# Altium PCB relay_matrix.PcbDoc (part 8 of 9)
Units mm, origin at the board's own origin, x right, y up, seen from the top; angles counter-clockwise.
Board outline 330 x 220 mm, 2 copper layers (Top Layer, Bottom Layer); 498 components, 345 nets, 2134 pads, 717 vias.
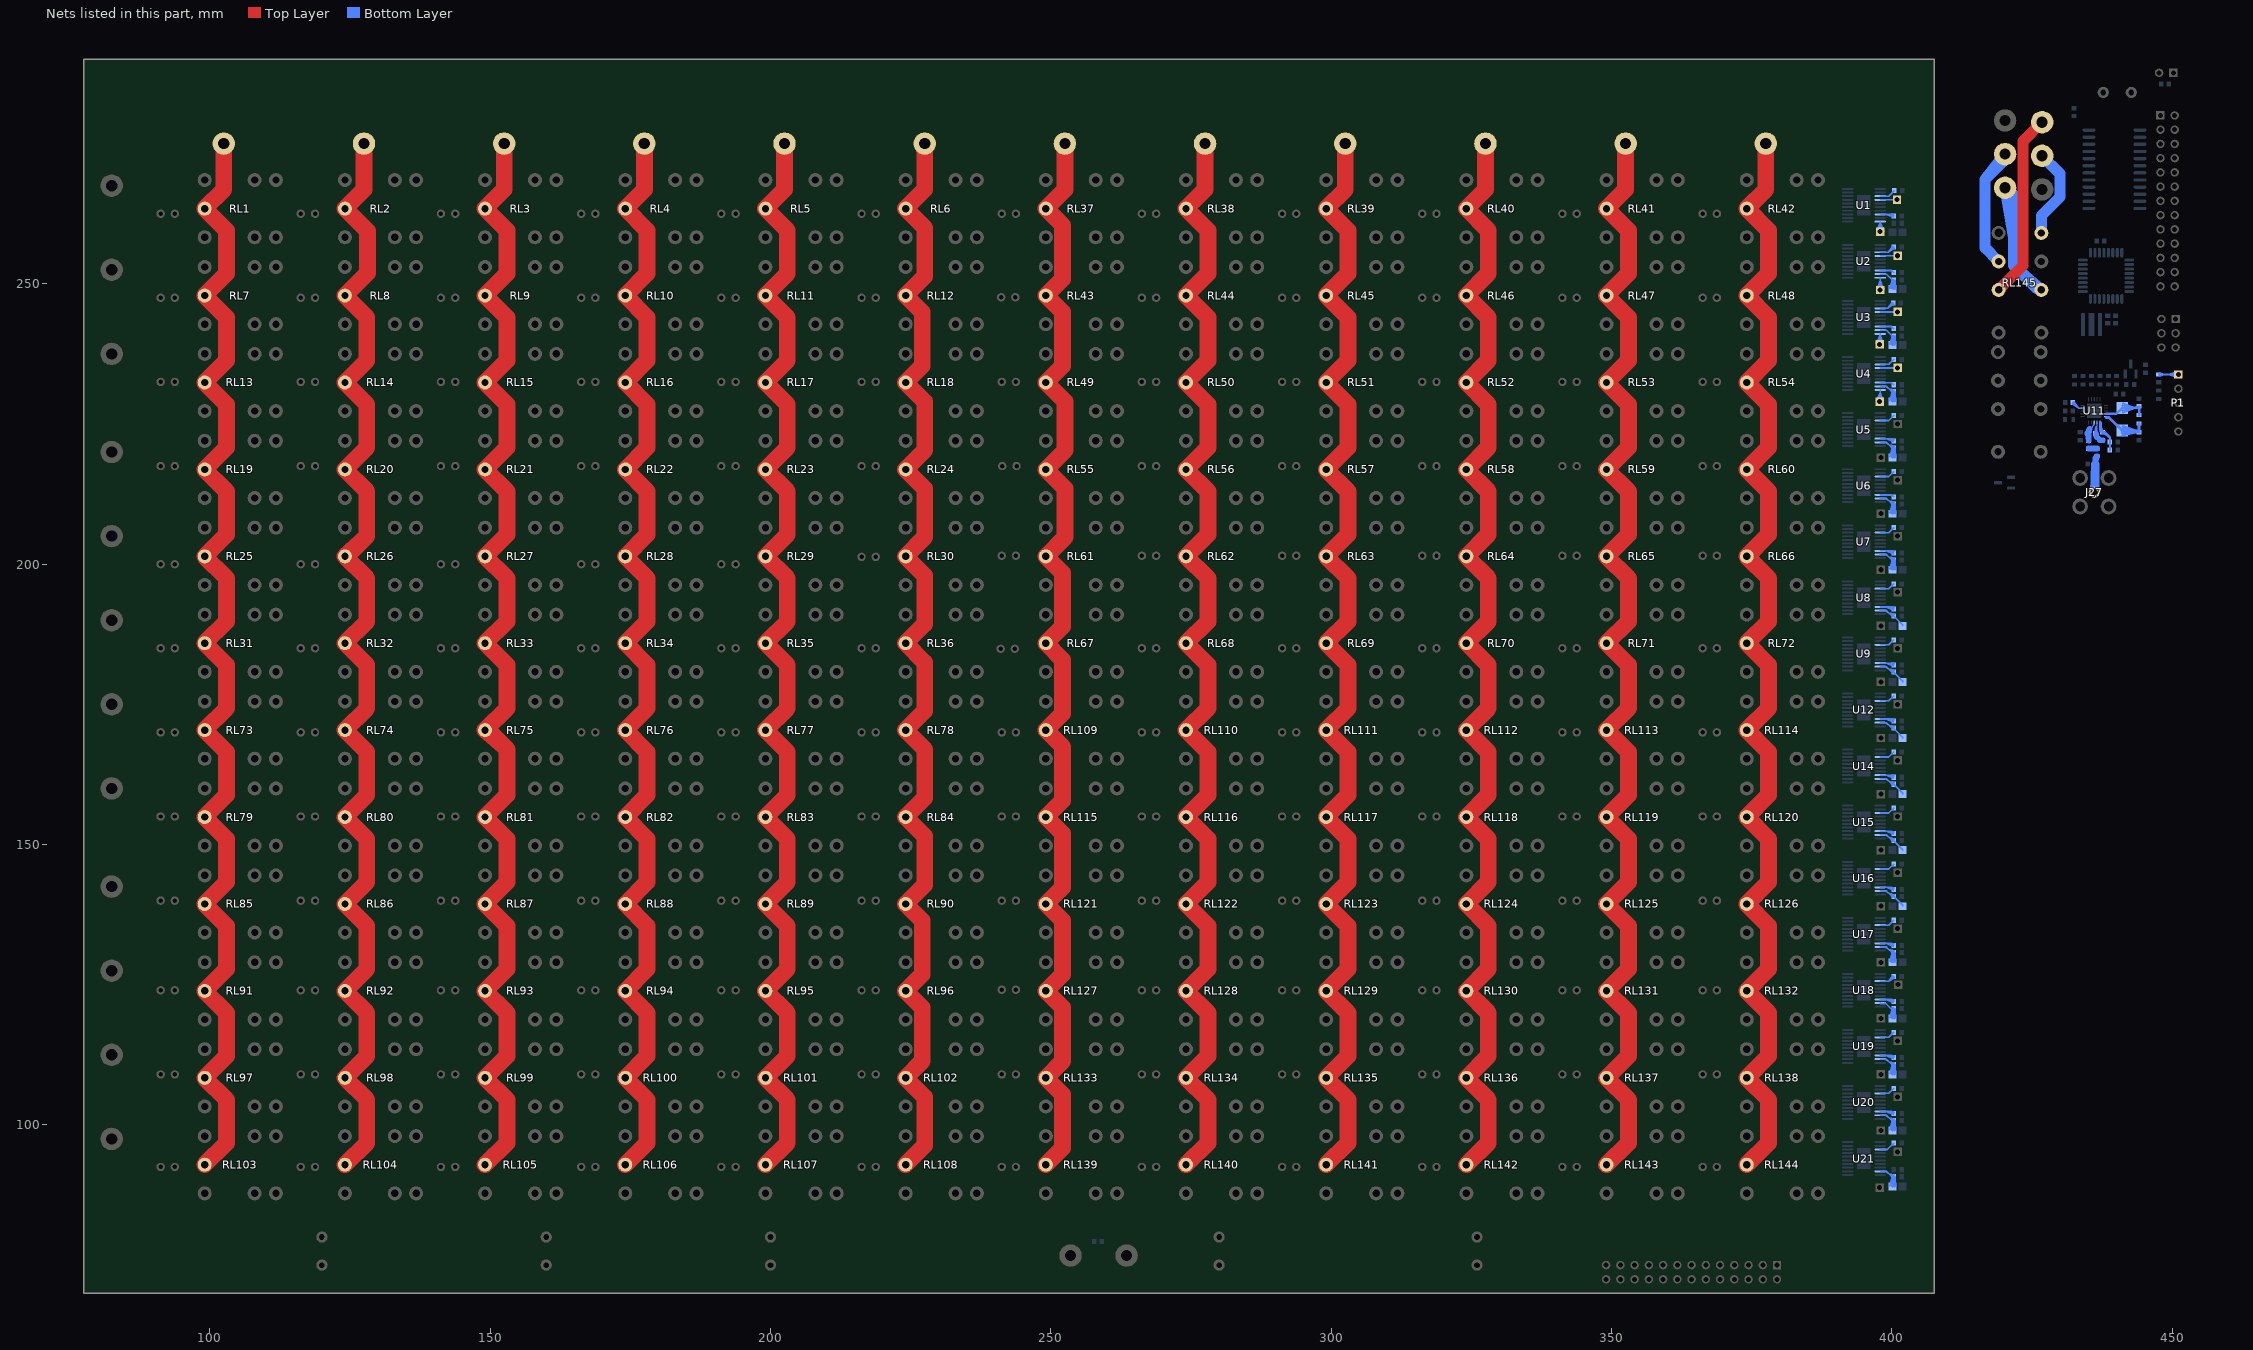
[diagram p8: the nets of this part, all layers, seen from the top]

## Via types
v1: diameter 0.8, hole 0.5, Top Layer to Bottom Layer, 477 vias
v2: diameter 0.8, hole 0.5, Top Layer to Bottom Layer, tented both sides, 122 vias
v3: diameter 0.6, hole 0.3, Top Layer to Bottom Layer, 112 vias
v4: diameter 7, hole 5, Top Layer to Bottom Layer, 6 vias

## Nets (pads, with @x,y where several pads share a name; then routed paths per layer and width w, separated by ;. In a path a pad name is that pad's centre, name@x,y a point inside that pad or via, vN(x,y) a via of type N, cw(c..) or ccw(c..) an arc to the next point about the centre after c; other vN are vias at no path point) (continued)
NetC2_2: C2.2 R146.1 U2.19 | length 40.5
  Bottom Layer w0.3: U2.19@397.9,251.725 399.025,251.725 ; R146.1@399.556,249.182 C2.2@400.051,250.626 ; R146.1@399.574,249.26 C2.2@400.3,250.7 ; R146.1@399.575,249.265 C2.2@400.3,250.65 ; R146.1@399.607,249.344 C2.2@400.549,250.626 ; R146.1@399.85,249.112 C2.2@400.051,250.626 ; R146.1@399.855,249.15 C2.2@400.3,250.7 ; R146.1@399.855,249.152 C2.2@400.3,250.65 ; R146.1@399.866,249.189 C2.2@400.549,250.626 ; R146.1@400.345,249.049 C2.2@400.549,250.626 ; R146.1@400.348,249.128 C2.2@400.051,250.626 ; R146.1@400.35,249.088 C2.2@400.3,250.65 ; R146.1@400.35,249.088 C2.2@400.3,250.7 ; R146.1@400.638,249.216 C2.2@400.051,250.626 ; R146.1@400.647,249.038 C2.2@400.549,250.626 ; R146.1@400.649,249.126 C2.2@400.3,250.7 ; R146.1@400.649,249.127 C2.2@400.3,250.65 ; 399.025,251.725 398.725,251.725 399.025,251.725 ; 399.025,251.725 400.05,250.7 C2.2@400.3,250.7 ; C2.2@400.051,250.626 R146.1@400.1,249.1 ; C2.2@400.051,250.626 R146.1@400.3,249.35 ; R146.1@400.1,249.1 C2.2@400.3,250.65 ; R146.1@400.1,249.1 C2.2@400.549,250.626 ; R146.1@400.1,249.1 C2.2@400.3,250.7 ; R146.1@400.1,249.1 400.3,249.3 C2.2@400.3,250.7 ; R146.1@400.3,249.35 C2.2@400.3,250.65 ; R146.1@400.3,249.35 C2.2@400.549,250.626
NetC3_2: C3.2 R147.1 U3.19 | length 36.9
  Bottom Layer w0.3: U3.19@397.9,241.725 399.025,241.725 ; R147.1@399.574,239.26 C3.2@400.3,240.7 ; R147.1@399.855,239.15 C3.2@400.3,240.7 ; C3.2@400.05,240.658 R147.1@400.132,239.357 ; C3.2@400.051,240.626 R147.1@400.3,239.35 ; C3.2@400.052,240.618 R147.1@400.342,239.35 ; C3.2@400.055,240.698 R147.1@399.922,239.385 ; C3.2@400.063,240.571 R147.1@400.595,239.371 ; C3.2@400.069,240.745 R147.1@399.668,239.446 ; R147.1@400.35,239.088 C3.2@400.3,240.7 ; C3.2@400.51,240.514 R147.1@399.668,239.446 ; C3.2@400.532,240.556 R147.1@399.922,239.385 ; C3.2@400.544,240.594 R147.1@400.132,239.357 ; C3.2@400.548,240.683 R147.1@400.595,239.371 ; C3.2@400.549,240.626 R147.1@400.3,239.35 ; C3.2@400.549,240.634 R147.1@400.342,239.35 ; R147.1@400.649,239.126 C3.2@400.3,240.7 ; 399.025,241.725 398.725,241.725 399.025,241.725 ; 399.025,241.725 400.05,240.7 C3.2@400.3,240.7 ; R147.1@399.668,239.446 C3.2@400.3,240.65 ; R147.1@399.922,239.385 C3.2@400.3,240.65 ; R147.1@400.132,239.357 C3.2@400.3,240.65 ; R147.1@400.3,239.35 C3.2@400.3,240.65 ; C3.2@400.3,240.65 R147.1@400.342,239.35 ; C3.2@400.3,240.65 R147.1@400.595,239.371 ; C3.2@400.3,240.7 R147.1@400.1,239.1 400.3,239.3 C3.2@400.3,240.7
NetC4_2: C4.2 R148.1 U4.19 | length 44.2
  Bottom Layer w0.3: U4.19@397.9,231.725 399.025,231.725 ; R148.1@399.573,229.159 C4.2@400.3,230.614 ; R148.1@399.855,229.05 C4.2@400.3,230.614 ; C4.2@400.05,230.705 R148.1@400.15,229.405 ; C4.2@400.051,230.676 R148.1@400.3,229.4 ; C4.2@400.052,230.669 R148.1@400.337,229.4 ; C4.2@400.053,230.741 R148.1@399.962,229.426 ; C4.2@400.061,230.627 R148.1@400.564,229.416 ; C4.2@400.064,230.784 R148.1@399.73,229.473 ; C4.2@400.151,230.599 399.55,231.2 ; R148.1@400.35,228.988 C4.2@400.3,230.614 ; C4.2@400.384,231.035 399.55,231.2 ; C4.2@400.516,230.574 R148.1@399.73,229.473 ; C4.2@400.534,230.613 R148.1@399.962,229.426 ; C4.2@400.544,230.648 R148.1@400.15,229.405 ; C4.2@400.549,230.676 R148.1@400.3,229.4 ; C4.2@400.549,230.683 R148.1@400.337,229.4 ; C4.2@400.549,230.727 R148.1@400.564,229.416 ; R148.1@400.649,229.026 C4.2@400.3,230.614 ; U4.19@398.725,231.725 399.025,231.725 ; U4.19@398.725,231.725 399.025,231.725 ; U4.19@398.725,231.725 399.55,231.2 ; 399.025,231.725 399.55,231.2 ; 399.55,231.2 C4.2@400.3,230.8 ; 399.55,231.2 399.85,231.2 ; R148.1@399.73,229.473 C4.2@400.3,230.7 ; 399.85,231.2 C4.2@400.3,230.8 ; 399.85,231.2 400.424,231.017 399.85,231.2 ; 399.85,231.2 400.099,230.652 399.85,231.2 ; 399.85,231.2 C4.2@400.3,230.8 ; 399.85,231.2 C4.2@400.3,230.75 400.3,229.2 R148.1@400.1,229 C4.2@400.3,230.614 ; R148.1@399.962,229.426 C4.2@400.3,230.7 ; R148.1@400.15,229.405 C4.2@400.3,230.7 ; R148.1@400.3,229.4 C4.2@400.3,230.7 ; C4.2@400.3,230.7 R148.1@400.337,229.4 ; C4.2@400.3,230.7 R148.1@400.564,229.416
NetC6_2: C6.2 U1.18 | length 11.4
  Bottom Layer w0.3: U1.18@397.9,262.375 400.025,262.375 C6.2@400.3,262.1 ; 399.8,262.375 U1.18@398.725,262.375 ; 399.801,262.391 U1.18@398.725,262.375 ; 399.852,262.22 U1.18@398.725,262.375 ; C6.2@399.902,262.022 U1.18@398.725,262.375 ; C6.2@400.24,261.907 U1.18@398.864,262.375 ; C6.2@400.3,262.15 U1.18@398.864,262.375 ; C6.2@400.317,262.399 U1.18@398.864,262.375
NetC7_2: C7.2 U2.18 | length 3.6
  Bottom Layer w0.3: U2.18@397.9,252.375 399.925,252.375 C7.2@400.3,252 ; U2.18@398.725,252.375 399.8,252.375
NetC8_2: C8.2 U3.18 | length 3.6
  Bottom Layer w0.3: U3.18@397.9,242.375 399.925,242.375 C8.2@400.3,242 ; U3.18@398.725,242.375 399.8,242.375
NetC9_2: C9.2 U4.18 | length 3.6
  Bottom Layer w0.3: U4.18@397.9,232.375 399.925,232.375 C9.2@400.3,232 ; U4.18@398.725,232.375 399.8,232.375
NetC11_2: C11.2 U1.13 | length 3.6
  Bottom Layer w0.3: U1.13@397.9,265.625 399.425,265.625 ; U1.13@398.725,265.625 399.425,265.625 ; C11.2@400.4,266.6 399.425,265.625
NetC20_2: C20.2 U11.19 | length 6.7
  Bottom Layer w0.3: C20.2@432.12,228.578 433.275,227.824 ; C20.2@432.275,228.774 433.275,227.824 ; C20.2@432.275,228.824 433.275,227.824 ; C20.2@432.463,228.939 433.275,227.824 ; U11.19@433.725,227.824 433.275,227.824 ; U11.19@434,227.824 433.275,227.824
NetC22_1: C22.1 L1.1 | length 5.8
  Bottom Layer w1: L1.1@435.075,220.624 436.525,220.624 435.125,220.624 C22.1@436.575,220.624 L1.1@435.075,220.624
NetC22_2: C22.2 C23.1 J27.1 | length 20.3
  Bottom Layer w1: C22.2@436.575,219.224 C22.2@436.275,218.924 ; C22.2@436.275,218.924 436.275,217.874 436.525,219.224 C23.1@436.275,217.824 C22.2@436.275,218.924
  Bottom Layer w1.5: J27.1@436.078,212.877 C23.1@436.275,217.774 ; C23.1@436.275,217.824 C23.1@436.265,217.814 ; C23.1@436.265,217.814 J27.1@436.075,212.824 436.265,213.014 C23.1@436.265,217.814
NetC24_2: C24.2 U2.13 | length 7.4
  Bottom Layer w0.3: U2.13@397.9,255.625 399.325,255.625 ; U2.13@398.725,255.625 399.325,255.625 ; C24.2@400.112,256.715 399.325,255.625 ; C24.2@400.3,256.55 399.325,255.625 ; C24.2@400.3,256.6 399.325,255.625 ; C24.2@400.454,256.353 399.325,255.625
NetC26_1: C26.1 C27.1 L3.1 U11.11 | length 13.4
  Bottom Layer w0.4: L3.1@437.575,223.524 437.975,223.524 438.875,222.624 ; L3.1@437.625,223.524 438.875,222.624 ; C27.1@438.875,221.874 438.875,222.624 ; C27.1@438.875,221.824 438.875,220.374 438.875,221.774 C26.1@438.875,220.324 C27.1@438.875,221.824 ; C27.1@438.875,221.824 438.875,222.624
  Bottom Layer w0.6: 437.175,225.249 437.177,225.247 437.177,224.379 437.175,224.377 ; L3.1@437.525,223.524 437.175,224.377 ; L3.1@437.575,223.524 437.175,223.924 437.175,224.377
NetC30_1: C30.1 R170.1 U11.9 X2.1 | length 21.5
  Bottom Layer w0.4: U11.9@438.15,226.824 440.05,226.824 X2.1@441.075,227.849 443.8,227.849 C30.1@444.075,228.124 ; U11.9@438.425,226.824 439.725,226.824 ; X2.1@441.116,227.426 443.3,227.849 ; X2.1@441.116,228.272 443.3,227.849 ; X2.1@441.228,227.038 443.3,227.849 ; X2.1@441.228,228.66 443.3,227.849 ; 442.308,227.849 C30.1@444.025,228.124 ; C30.1@444.075,228.124 R170.1@444.075,226.574 C30.1@444.075,228.124
NetC31_1: C31.1 R170.2 U11.10 X2.2 | length 33.5
  Bottom Layer w0.5: 438.15,226.174 438.7,226.174 X2.2@441.075,223.799 443.8,223.799 C31.1@444.075,223.524 R170.2@444.075,225.074 ; X2.2@441.072,223.474 C31.1@443.626,223.578 ; X2.2@441.075,223.749 C31.1@443.626,223.578 ; X2.2@441.09,223.524 443.6,223.799 ; X2.2@441.09,224.074 443.6,223.799 ; X2.2@441.109,224.022 C31.1@443.626,223.578 ; X2.2@441.142,222.977 C31.1@443.626,223.578 ; X2.2@441.194,223.033 443.6,223.799 ; X2.2@441.194,224.565 443.6,223.799 ; X2.2@441.244,224.505 C31.1@443.626,223.578 ; X2.2@442.008,223.799 C31.1@444.025,223.524
NetC34_2: C34.2 P1.1 | length 14
  Bottom Layer w0.3: C34.2@447.575,233.824 P1.1@451.075,233.824 ; C34.2@447.625,233.824 448.925,233.824 ; C34.2@447.65,233.575 448.925,233.824 ; C34.2@447.65,234.073 448.925,233.824 ; P1.1@450.966,233.234 449.425,233.824 ; P1.1@450.966,234.414 449.425,233.824 ; P1.1@451.048,233.525 449.425,233.824 ; P1.1@451.048,234.123 449.425,233.824
NetC36_2: C36.2 U3.13 | length 7.2
  Bottom Layer w0.3: U3.13@397.9,245.625 399.225,245.625 ; U3.13@398.725,245.625 399.225,245.625 ; C36.2@400.012,246.715 399.225,245.625 ; C36.2@400.2,246.55 399.225,245.625 ; C36.2@400.2,246.6 399.225,245.625 ; C36.2@400.354,246.353 399.225,245.625
NetC37_2: C37.2 U4.13 | length 3.5
  Bottom Layer w0.3: U4.13@397.9,235.625 399.425,235.625 ; U4.13@398.725,235.625 399.425,235.625 ; C37.2@400.3,236.5 399.425,235.625
NetC38_2: C38.2 R149.1 U5.19 | length 44.2
  Bottom Layer w0.3: U5.19@397.9,221.725 399.025,221.725 ; R149.1@399.573,219.159 C38.2@400.3,220.614 ; R149.1@399.855,219.05 C38.2@400.3,220.614 ; C38.2@400.05,220.705 R149.1@400.15,219.405 ; C38.2@400.051,220.676 R149.1@400.3,219.4 ; C38.2@400.052,220.669 R149.1@400.337,219.4 ; C38.2@400.053,220.741 R149.1@399.962,219.426 ; C38.2@400.061,220.627 R149.1@400.564,219.416 ; C38.2@400.064,220.784 R149.1@399.73,219.473 ; C38.2@400.151,220.599 399.55,221.2 ; R149.1@400.35,218.988 C38.2@400.3,220.614 ; C38.2@400.384,221.035 399.55,221.2 ; C38.2@400.516,220.574 R149.1@399.73,219.473 ; C38.2@400.534,220.613 R149.1@399.962,219.426 ; C38.2@400.544,220.648 R149.1@400.15,219.405 ; C38.2@400.549,220.676 R149.1@400.3,219.4 ; C38.2@400.549,220.683 R149.1@400.337,219.4 ; C38.2@400.549,220.727 R149.1@400.564,219.416 ; R149.1@400.649,219.026 C38.2@400.3,220.614 ; U5.19@398.725,221.725 399.025,221.725 ; U5.19@398.725,221.725 399.025,221.725 ; U5.19@398.725,221.725 399.55,221.2 ; 399.025,221.725 399.55,221.2 ; 399.55,221.2 C38.2@400.3,220.8 ; 399.55,221.2 399.85,221.2 ; R149.1@399.73,219.473 C38.2@400.3,220.7 ; 399.85,221.2 C38.2@400.3,220.8 ; 399.85,221.2 400.424,221.017 399.85,221.2 ; 399.85,221.2 400.099,220.652 399.85,221.2 ; 399.85,221.2 C38.2@400.3,220.8 ; 399.85,221.2 C38.2@400.3,220.75 400.3,219.2 R149.1@400.1,219 C38.2@400.3,220.614 ; R149.1@399.962,219.426 C38.2@400.3,220.7 ; R149.1@400.15,219.405 C38.2@400.3,220.7 ; R149.1@400.3,219.4 C38.2@400.3,220.7 ; C38.2@400.3,220.7 R149.1@400.337,219.4 ; C38.2@400.3,220.7 R149.1@400.564,219.416
NetC39_2: C39.2 R150.1 U6.19 | length 44.2
  Bottom Layer w0.3: U6.19@397.9,211.725 399.025,211.725 ; R150.1@399.573,209.159 C39.2@400.3,210.614 ; R150.1@399.855,209.05 C39.2@400.3,210.614 ; C39.2@400.05,210.705 R150.1@400.15,209.405 ; C39.2@400.051,210.676 R150.1@400.3,209.4 ; C39.2@400.052,210.669 R150.1@400.337,209.4 ; C39.2@400.053,210.741 R150.1@399.962,209.426 ; C39.2@400.061,210.627 R150.1@400.564,209.416 ; C39.2@400.064,210.784 R150.1@399.73,209.473 ; C39.2@400.151,210.599 399.55,211.2 ; R150.1@400.35,208.988 C39.2@400.3,210.614 ; C39.2@400.384,211.035 399.55,211.2 ; C39.2@400.516,210.574 R150.1@399.73,209.473 ; C39.2@400.534,210.613 R150.1@399.962,209.426 ; C39.2@400.544,210.648 R150.1@400.15,209.405 ; C39.2@400.549,210.676 R150.1@400.3,209.4 ; C39.2@400.549,210.683 R150.1@400.337,209.4 ; C39.2@400.549,210.727 R150.1@400.564,209.416 ; R150.1@400.649,209.026 C39.2@400.3,210.614 ; U6.19@398.725,211.725 399.025,211.725 ; U6.19@398.725,211.725 399.025,211.725 ; U6.19@398.725,211.725 399.55,211.2 ; 399.025,211.725 399.55,211.2 ; 399.55,211.2 C39.2@400.3,210.8 ; 399.55,211.2 399.85,211.2 ; R150.1@399.73,209.473 C39.2@400.3,210.7 ; 399.85,211.2 C39.2@400.3,210.8 ; 399.85,211.2 400.424,211.017 399.85,211.2 ; 399.85,211.2 400.099,210.652 399.85,211.2 ; 399.85,211.2 C39.2@400.3,210.8 ; 399.85,211.2 C39.2@400.3,210.75 400.3,209.2 R150.1@400.1,209 C39.2@400.3,210.614 ; R150.1@399.962,209.426 C39.2@400.3,210.7 ; R150.1@400.15,209.405 C39.2@400.3,210.7 ; R150.1@400.3,209.4 C39.2@400.3,210.7 ; C39.2@400.3,210.7 R150.1@400.337,209.4 ; C39.2@400.3,210.7 R150.1@400.564,209.416
NetC40_2: C40.2 R151.1 U7.19 | length 44.2
  Bottom Layer w0.3: U7.19@397.9,201.725 399.025,201.725 ; R151.1@399.573,199.159 C40.2@400.3,200.614 ; R151.1@399.855,199.05 C40.2@400.3,200.614 ; C40.2@400.05,200.705 R151.1@400.15,199.405 ; C40.2@400.051,200.676 R151.1@400.3,199.4 ; C40.2@400.052,200.669 R151.1@400.337,199.4 ; C40.2@400.053,200.741 R151.1@399.962,199.426 ; C40.2@400.061,200.627 R151.1@400.564,199.416 ; C40.2@400.064,200.784 R151.1@399.73,199.473 ; C40.2@400.151,200.599 399.55,201.2 ; R151.1@400.35,198.988 C40.2@400.3,200.614 ; C40.2@400.384,201.035 399.55,201.2 ; C40.2@400.516,200.574 R151.1@399.73,199.473 ; C40.2@400.534,200.613 R151.1@399.962,199.426 ; C40.2@400.544,200.648 R151.1@400.15,199.405 ; C40.2@400.549,200.676 R151.1@400.3,199.4 ; C40.2@400.549,200.683 R151.1@400.337,199.4 ; C40.2@400.549,200.727 R151.1@400.564,199.416 ; R151.1@400.649,199.026 C40.2@400.3,200.614 ; U7.19@398.725,201.725 399.025,201.725 ; U7.19@398.725,201.725 399.025,201.725 ; U7.19@398.725,201.725 399.55,201.2 ; 399.025,201.725 399.55,201.2 ; 399.55,201.2 C40.2@400.3,200.8 ; 399.55,201.2 399.85,201.2 ; R151.1@399.73,199.473 C40.2@400.3,200.7 ; 399.85,201.2 C40.2@400.3,200.8 ; 399.85,201.2 400.424,201.017 399.85,201.2 ; 399.85,201.2 400.099,200.652 399.85,201.2 ; 399.85,201.2 C40.2@400.3,200.8 ; 399.85,201.2 C40.2@400.3,200.75 400.3,199.2 R151.1@400.1,199 C40.2@400.3,200.614 ; R151.1@399.962,199.426 C40.2@400.3,200.7 ; R151.1@400.15,199.405 C40.2@400.3,200.7 ; R151.1@400.3,199.4 C40.2@400.3,200.7 ; C40.2@400.3,200.7 R151.1@400.337,199.4 ; C40.2@400.3,200.7 R151.1@400.564,199.416
NetC41_2: C41.2 R152.1 U8.19 | length 13
  Bottom Layer w0.3: U8.19@397.9,191.725 399.025,191.725 ; C41.2@400.151,190.599 399.55,191.2 ; C41.2@400.384,191.035 399.55,191.2 ; R152.1@401.9,189 401.9,189.15 C41.2@400.3,190.75 399.85,191.2 ; U8.19@398.725,191.725 399.025,191.725 ; U8.19@398.725,191.725 399.025,191.725 ; U8.19@398.725,191.725 399.55,191.2 ; 399.025,191.725 399.55,191.2 ; 399.55,191.2 C41.2@400.3,190.8 ; 399.55,191.2 399.85,191.2 ; 399.85,191.2 C41.2@400.3,190.8 ; 399.85,191.2 400.424,191.017 399.85,191.2 ; 399.85,191.2 400.099,190.652 399.85,191.2 ; 399.85,191.2 C41.2@400.3,190.8
NetC42_2: C42.2 U5.18 | length 9.7
  Bottom Layer w0.3: U5.18@397.9,222.375 399.925,222.375 C42.2@400.3,222 ; U5.18@398.725,222.375 399.8,222.375 ; C42.2@400.123,221.874 399.8,222.375 ; C42.2@400.222,221.813 398.912,222.375 ; C42.2@400.335,222.297 398.912,222.375 ; C42.2@400.389,222.284 399.8,222.375 ; 398.912,222.375 400.3,222.05 399.8,222.375
NetC43_2: C43.2 U6.18 | length 2.6
  Bottom Layer w0.3: U6.18@397.9,212.375 397.953,212.322 399.978,212.322 C43.2@400.3,212
NetC44_2: C44.2 U7.18 | length 9.7
  Bottom Layer w0.3: U7.18@397.9,202.375 399.925,202.375 C44.2@400.3,202 ; U7.18@398.725,202.375 399.8,202.375 ; C44.2@400.123,201.874 399.8,202.375 ; C44.2@400.222,201.813 398.912,202.375 ; C44.2@400.335,202.297 398.912,202.375 ; C44.2@400.389,202.284 399.8,202.375 ; 398.912,202.375 400.3,202.05 399.8,202.375
NetC45_2: C45.2 U8.18 | length 13.1
  Bottom Layer w0.3: U8.18@397.9,192.375 397.928,192.347 399.865,192.347 ; C45.2@400.227,191.811 398.907,192.347 ; C45.2@400.3,192 399.925,192.375 399.893,192.375 ; C45.2@400.33,192.298 398.907,192.347 ; 398.907,192.347 C45.2@400.3,192.05 ; 399.865,192.347 C45.2@400.3,192.05 ; 399.865,192.347 400.388,192.284 399.865,192.347 ; 399.865,192.347 400.114,191.883 399.865,192.347 ; 399.865,192.347 C45.2@400.3,192.05 ; 399.865,192.347 399.893,192.375 ; 399.893,192.375 C45.2@400.3,192.05 ; 399.893,192.375 400.405,192.277 399.893,192.375 ; 399.893,192.375 400.102,191.898 399.893,192.375 ; 399.893,192.375 C45.2@400.3,192.05
NetC46_2: C46.2 U5.13 | length 3.5
  Bottom Layer w0.3: U5.13@397.9,225.625 399.425,225.625 ; U5.13@398.725,225.625 399.425,225.625 ; C46.2@400.3,226.5 399.425,225.625
NetC47_2: C47.2 U6.13 | length 3.5
  Bottom Layer w0.3: U6.13@397.9,215.625 399.425,215.625 ; U6.13@398.725,215.625 399.425,215.625 ; C47.2@400.3,216.5 399.425,215.625
NetC48_2: C48.2 U7.13 | length 3.5
  Bottom Layer w0.3: U7.13@397.9,205.625 399.425,205.625 ; U7.13@398.725,205.625 399.425,205.625 ; C48.2@400.3,206.5 399.425,205.625
NetC49_2: C49.2 U8.13 | length 3.5
  Bottom Layer w0.3: U8.13@397.9,195.625 399.425,195.625 ; U8.13@398.725,195.625 399.425,195.625 ; C49.2@400.3,196.5 399.425,195.625
NetC50_2: C50.2 R153.1 U9.19 | length 13.2
  Bottom Layer w0.3: U9.19@397.9,181.725 399.025,181.725 ; C50.2@400.1,180.55 C50.2@400.3,180.75 ; C50.2@400.151,180.599 399.55,181.2 ; C50.2@400.384,181.035 399.55,181.2 ; R153.1@401.9,179 401.9,179.095 400.3,180.695 C50.2@400.3,180.75 ; U9.19@398.725,181.725 399.025,181.725 ; U9.19@398.725,181.725 399.025,181.725 ; U9.19@398.725,181.725 399.55,181.2 ; 399.025,181.725 399.55,181.2 ; 399.55,181.2 C50.2@400.3,180.8 ; 399.55,181.2 399.85,181.2 ; 399.85,181.2 C50.2@400.3,180.8 ; 399.85,181.2 400.424,181.017 399.85,181.2 ; 399.85,181.2 400.099,180.652 399.85,181.2 ; 399.85,181.2 C50.2@400.3,180.8 ; 399.85,181.2 C50.2@400.3,180.75
NetC51_2: C51.2 R154.1 U12.19 | length 13
  Bottom Layer w0.3: U12.19@397.9,171.725 399.025,171.725 ; C51.2@400.151,170.599 399.55,171.2 ; C51.2@400.384,171.035 399.55,171.2 ; R154.1@401.9,169 401.9,169.095 400.3,170.695 C51.2@400.3,170.75 399.85,171.2 ; U12.19@398.725,171.725 399.025,171.725 ; U12.19@398.725,171.725 399.025,171.725 ; U12.19@398.725,171.725 399.55,171.2 ; 399.025,171.725 399.55,171.2 ; 399.55,171.2 C51.2@400.3,170.8 ; 399.55,171.2 399.85,171.2 ; 399.85,171.2 C51.2@400.3,170.8 ; 399.85,171.2 400.424,171.017 399.85,171.2 ; 399.85,171.2 400.099,170.652 399.85,171.2 ; 399.85,171.2 C51.2@400.3,170.8
NetC52_2: C52.2 R155.1 U14.19 | length 13
  Bottom Layer w0.3: U14.19@397.9,161.725 399.025,161.725 ; C52.2@400.151,160.599 399.55,161.2 ; C52.2@400.384,161.035 399.55,161.2 ; R155.1@401.9,159 401.9,159.15 C52.2@400.3,160.75 399.85,161.2 ; U14.19@398.725,161.725 399.025,161.725 ; U14.19@398.725,161.725 399.025,161.725 ; U14.19@398.725,161.725 399.55,161.2 ; 399.025,161.725 399.55,161.2 ; 399.55,161.2 C52.2@400.3,160.8 ; 399.55,161.2 399.85,161.2 ; 399.85,161.2 C52.2@400.3,160.8 ; 399.85,161.2 400.424,161.017 399.85,161.2 ; 399.85,161.2 400.099,160.652 399.85,161.2 ; 399.85,161.2 C52.2@400.3,160.8
NetC53_2: C53.2 R156.1 U15.19 | length 13
  Bottom Layer w0.3: U15.19@397.9,151.725 399.025,151.725 ; C53.2@400.151,150.599 399.55,151.2 ; C53.2@400.384,151.035 399.55,151.2 ; R156.1@401.9,149 401.9,149.095 400.3,150.695 C53.2@400.3,150.75 399.85,151.2 ; U15.19@398.725,151.725 399.025,151.725 ; U15.19@398.725,151.725 399.025,151.725 ; U15.19@398.725,151.725 399.55,151.2 ; 399.025,151.725 399.55,151.2 ; 399.55,151.2 C53.2@400.3,150.8 ; 399.55,151.2 399.85,151.2 ; 399.85,151.2 C53.2@400.3,150.8 ; 399.85,151.2 400.424,151.017 399.85,151.2 ; 399.85,151.2 400.099,150.652 399.85,151.2 ; 399.85,151.2 C53.2@400.3,150.8
NetC54_2: C54.2 U9.18 | length 13.1
  Bottom Layer w0.3: U9.18@397.9,182.375 397.928,182.347 399.865,182.347 ; C54.2@400.227,181.811 398.907,182.347 ; C54.2@400.3,182 399.925,182.375 399.893,182.375 ; C54.2@400.33,182.298 398.907,182.347 ; 398.907,182.347 C54.2@400.3,182.05 ; 399.865,182.347 C54.2@400.3,182.05 ; 399.865,182.347 400.388,182.284 399.865,182.347 ; 399.865,182.347 400.114,181.883 399.865,182.347 ; 399.865,182.347 C54.2@400.3,182.05 ; 399.865,182.347 399.893,182.375 ; 399.893,182.375 C54.2@400.3,182.05 ; 399.893,182.375 400.405,182.277 399.893,182.375 ; 399.893,182.375 400.102,181.898 399.893,182.375 ; 399.893,182.375 C54.2@400.3,182.05